# Altium PCB 主板513.PcbDoc (continued)
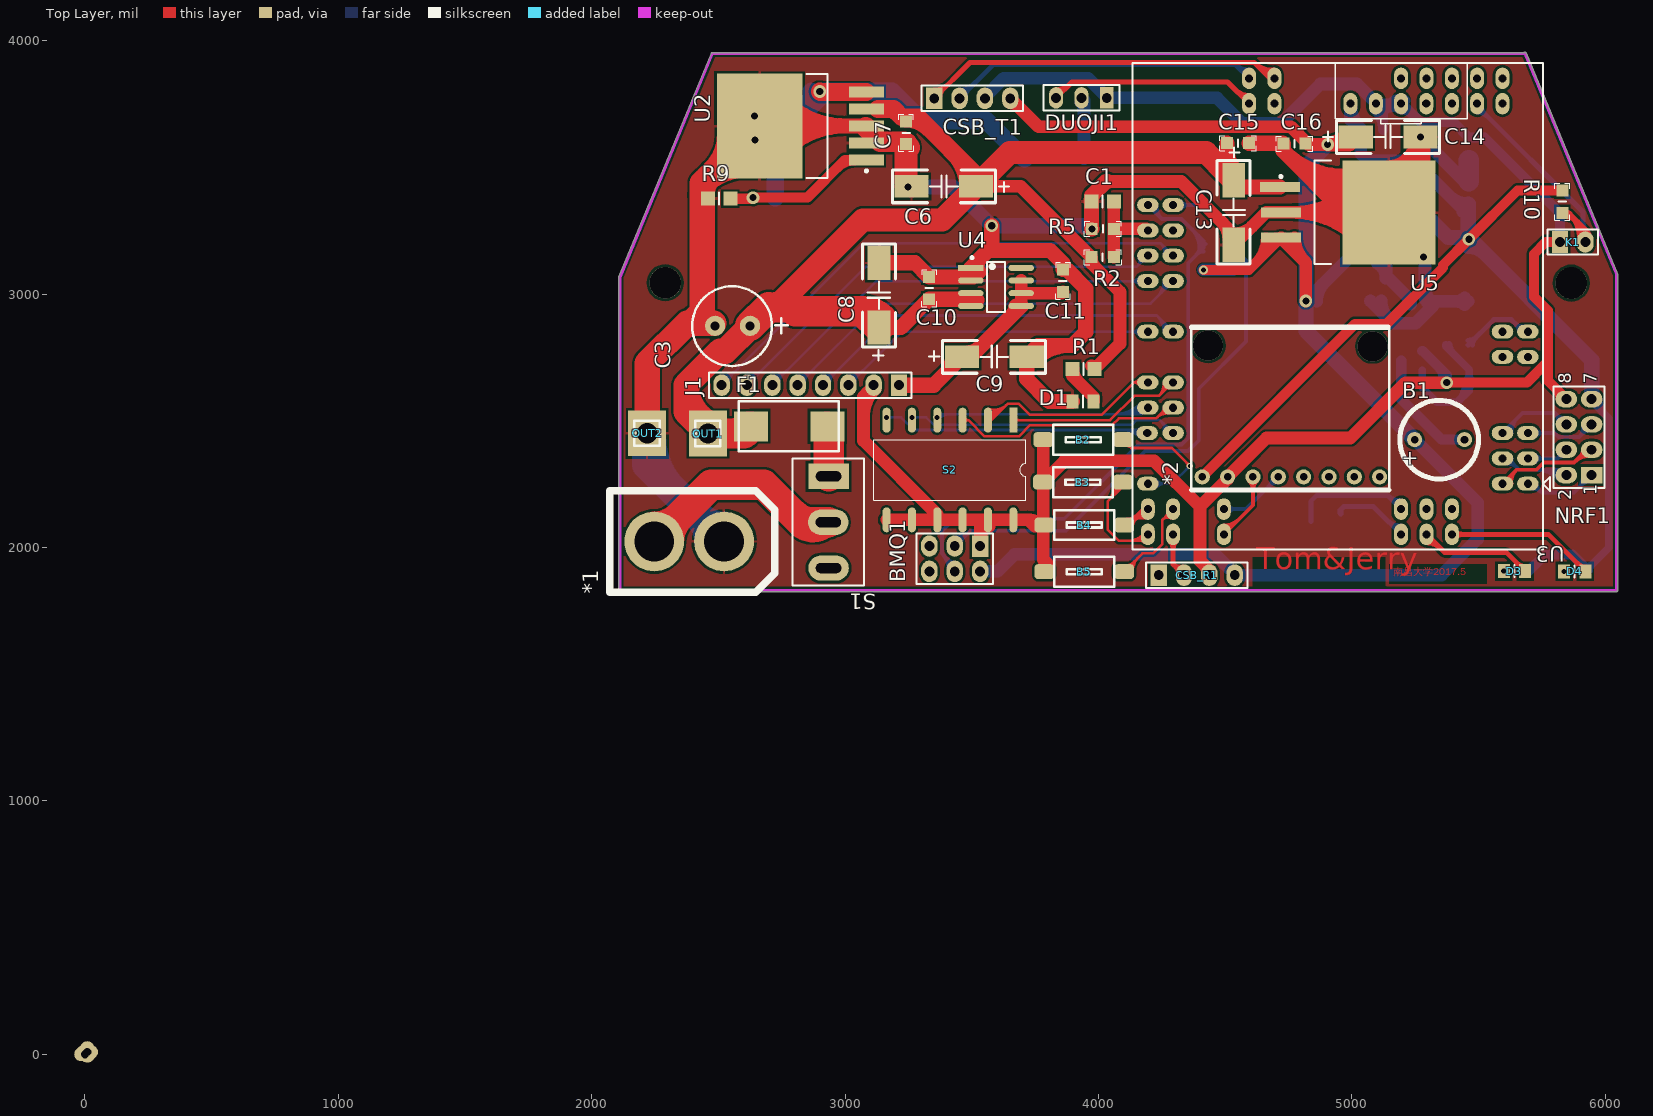
[diagram p0: Top Layer view]
## Nets (pads, with @x,y where several pads share a name; then routed paths per layer and width w, separated by ;. In a path a pad name is that pad's centre, name@x,y a point inside that pad or via, vN(x,y) a via of type N, cw(c..) or ccw(c..) an arc to the next point about the centre after c; other vN are vias at no path point) (continued)
  Top Layer w60: U2.6@2499.1,3499.9 U2.6 U2.3 ; U2.6@2590.72,3591.52 cw(c2645,3537.24) U2.6@2645,3614 ; U2.6@2605.7,3605.86 cw(c2631.06,3584.67) U2.6@2647.49,3613.34 ; U2.6@2608.96,3609.76 ccw(c2514.72,3704) U2.6@2648,3704 ; U2.6@2635.44,3663.87 ccw(c2707.04,3641.47) U2.6@2640.57,3606.68 ; U2.6@2639.46,3700.46 ccw(c2727.5,3788.5) U2.6@2727.5,3664 ; U2.6@2640,3609 cw(c2716.76,3609) U2.6@2662.48,3663.28 ; U2.6@2719.27,3607.93 cw(c2854.63,3472.57) 2854.63,3664 cw(c2854.63,3855.43) U2.6@2719.27,3720.07 ; U2.6@2761.7,3565.51 cw(c2999.48,3327.72) 2999.48,3664 cw(c2999.48,4000.28) U2.6@2761.7,3762.49 ; C8.2 3276,3124 C10.1 3507,3068 ; U4.1 3564.51,3172 ; U4.1@3516.51,3104 cw(c3564.8,3104) 3530.65,3138.14 ; 3519.76,3080.76 3528,3089 ; U4.1@3519.76,3111.83 cw(c3526.87,3111.83) 3521.84,3116.86 ; v1(3579,3270) 3579,3186.49 3564.51,3172 ; C9.2@3750.11,2742.39 cw(c3884.35,2608.15) 3884.35,2798 ; 3853.21,3128.79 cw(c3821.42,3097) C11.1@3866.38,3097 ; D1.2 3805,2577 3717,2665 C9.2 3762,2798 3897,2798 3950,2851 3950,3022.62 3875.62,3097 C11.1 3860,3122 3810,3172 3564.51,3172 ; C1.1@3970.56,3365 cw(c4021.85,3365) 3985.58,3401.27 ; v1(3974,3258) 3973,3259 C1.1 3973,3388.69 4029.31,3445 4036.38,3445 ; C15.1 C16.1@4728,3596 ; C16.1@4723.42,3593.8 ccw(c4777.68,3593.8) 4739.32,3555.44 ; C16.1 4730,3564.75 ; 4795.21,3499.55 ccw(c5005.51,3709.86) U5.4@5112.64,3432.4 ; 4860.4,3434.36 ccw(c5041.83,3615.79) U5.4@5134.25,3376.43 ; 4925.59,3369.17 ccw(c5078.15,3521.73) U5.4@5155.87,3320.45 ; U5.4@5091.03,3488.37 cw(c4969.19,3803.92) 4730.01,3564.74 ; U5.4 4971.75,3323 4730,3564.75
  Top Layer w80: U2.3@3081.29,3659.28 3084.19,3656.38 3138.77,3601.8 C7.1@3232.2,3601.8 ; U5.4@5142.91,3488.66 ccw(c5139.63,3619.99) v1(5271,3620) U5.4@5271,3447.5 ; U5.4@5144.9,3408.69 ccw(c5141.68,3537.97) 5271,3537.97
  Top Layer w90: 2477.47,3478.27 ccw(c2329.14,3626.6) U2.6@2538.91,3626.6 ; U2.6@2499.1,3499.9 2467,3467.8 cw(c2580.2,3354.6) U2.6@2626.93,3507.72 ; C7.1@3232.2,3596.8 C7.1@3241,3588 ; C7.1 C7.1@3241,3588 ; C7.1@3250,3579 C7.1@3241,3588 ; C6.2 3241,3447 C7.1@3241,3588
  Top Layer w100: OUT2.1 2218.99,2727.99 2376,2885 2390,2885 ; R9.1@2436.88,3373.23 cw(c2543.42,3391.37) 2467,3467.79 ; C3.2@2482.86,2885 2390,2885 ; U2.6@2631.77,3511.52 ccw(c2587.04,3347.77) 2467.01,3467.8 ; U2.6@2646.97,3508.42 ccw(c2613.08,3261.74) 2437.01,3437.81 ; 2390,2885 2437,2932 2437,3437.8 ; 2437,3437.8 2467,3467.8 ; 2486.01,3486.8 ccw(c2346.21,3626.6) 2543.91,3626.6 cw(c2346.21,3626.6) 2486.01,3486.8
  Bottom Layer w50: C17.2 5161,2886 5252.54,2886 5319,2952.46 C19.1 ; C17.2@5116.5,2973 ccw(c5219.1,2973) 5146.55,2900.45 ; v1(5271,3620) 5445,3446 C20.1 ; v1(5282.55,3147.13) 5289.43,3140.25 5289.43,2990.57 C19.1 ; 5289.43,2990.57 ccw(c5320.41,2990.57) C19.1@5318.92,2959.62 ; 5289.43,3028.8 ccw(c5386.6,3028.8) C19.1@5317.89,2960.08 ; C19.1@5317.89,2962.31 cw(c5341.28,2938.92) C19.1@5341.28,2972 ; 5435.81,3455.19 ccw(c5461.8,3481.19) C20.1@5461.8,3444.43 ; C18.2@5445.86,2957.86 ccw(c5411.72,2923.72) 5411.72,2972 ccw(c5411.72,3020.28) C18.2@5445.86,2986.14 ; C18.2 5330,2972 C19.1
  Bottom Layer w60: v1(3248,3423) 3426,3423 v1(3579,3270) 3962,3270 v1(3974,3258)
  Bottom Layer w70: v1(2645,3609) C4.2
  Bottom Layer w80: C20.1 5462,3529 C2.2
  Bottom Layer w120: OUT2.1 2218.99,2327.6 *1.2 ; OUT2.1@2233.99,2436 ccw(c2531.89,2436) 2321.24,2225.35 ; *1.2@2464.48,2024 ccw(c2324.19,2024) 2423.39,2123.2 ccw(c2522.59,2222.4) *1.2@2522.59,2082.11
  other v1: 2643,3704
B0: BMQ1.3 R6.2 U3.70 | length 2646.1
  Bottom Layer w15: BMQ1.3 3433.25,2006 3493.25,2066 3870,2066 4185,2381 4354,2381 4396,2423 4396,2627 4582,2813 4582,3134 R6.2 4531,3221 ; BMQ1.3@3433,2026 ccw(c3433,2074.89) 3467.57,2040.32 ; BMQ1.3@3433,2041 ccw(c3433,2126.1) 3493.18,2065.93 ; BMQ1.3@3458,2016 cw(c3493.61,2016) 3468.43,2041.18 ; U3.70 4400,3352 4531,3221 ; U3.70@4324.14,3337.86 cw(c4358.28,3303.72) 4358.28,3352 cw(c4358.28,3400.28) U3.70@4324.14,3366.14 ; R6.2@4520.29,3196.78 ccw(c4498.28,3221) 4531,3221 ; R6.2@4531.2,3169.08 cw(c4531.2,3131.1) 4558.05,3157.95 ; R6.2@4541.71,3196.78 cw(c4563.72,3221) 4531,3221 ; R6.2@4547.12,3185 ccw(c4586.04,3185) 4558.52,3157.48
B1: BMQ1.4 R7.1 U3.69 | length 2826.1
  Bottom Layer w15: 3383.75,1974.54 cw(c3325.22,1916) BMQ1.4@3408,1916 ; 3406.18,1952.11 ccw(c3433,1978.93) BMQ1.4@3433,1941 ; 3409.36,1948.93 cw(c3376.43,1916) BMQ1.4@3423,1916 ; BMQ1.4 3433,1925.29 3383,1975.29 3383,2066 3431,2114 3865,2114 4158,2407 4328.64,2407 4355,2433.36 4355,2824 ; U3.69 4250,3297 ; U3.69@4214.99,3351.65 ccw(c4255.28,3348.84) 4226.72,3320.28 ; U3.69@4229.95,3350.61 ccw(c4298.8,3345.8) 4250,3297 ; 4355,2833.36 4355,3124 R7.1 4415,3210.64 ; 4368.64,3257 cw(c4295.64,3184) 4398.88,3184 cw(c4359.96,3184) 4387.48,3156.48 ; 4387.95,3156.95 cw(c4414.8,3130.1) R7.1@4414.8,3168.08 ; 4394.25,3231.39 cw(c4346.86,3184) R7.1@4413.88,3184 ; R7.1@4407.46,3198.03 ccw(c4400.68,3210.64) 4415,3210.64 ; R7.1@4422.54,3198.03 cw(c4429.32,3210.64) 4415,3210.64 ; 4250,3297 4328.64,3297 4415,3210.64
B18: S2.1 U3.84 | length 850.8
  Top Layer w10: S2.1 4046,2503 4142,2599 4238.61,2599 ; S2.1@3671.6,2495.4 cw(c3689.95,2477.05) 3689.95,2503 cw(c3689.95,2528.95) S2.1@3671.6,2510.6 ; 4253.98,2614.37 ccw(c4220.92,2647.43) U3.84@4267.54,2651.04 ; U3.84@4257.57,2650.27 cw(c4192.39,2645.23) 4238.61,2599 ; 4261.41,2621.8 cw(c4280,2603.21) U3.84@4280,2629.5 ; U3.84 4291.61,2652 4238.61,2599
B19: S2.2 U3.83 | length 1109.4
  Top Layer w10: S2.2@3554.01,2498.51 ccw(c3561.02,2525.14) 3580.49,2505.66 ; S2.2@3556.55,2508.18 ccw(c3566.15,2544.63) 3592.8,2517.97 ; S2.2@3559.1,2517.85 ccw(c3571.28,2564.11) 3605.11,2530.28 ; S2.2@3561.64,2527.52 ccw(c3576.41,2583.6) 3617.42,2542.59 ; S2.2 3577.83,2503 3642.04,2567.21 ; S2.2@3564.19,2537.19 ccw(c3581.54,2603.09) 3629.73,2554.9 ; S2.2@3566.74,2546.86 ccw(c3586.67,2622.57) 3642.04,2567.21 ; U3.83@4160.77,2640.32 ccw(c4140,2627.7) 4140,2652 ; U3.83@4160.77,2663.68 cw(c4140,2676.3) 4140,2652 ; U3.83 4140,2652 ; 3642.04,2567.21 3685.96,2567.21 3729.17,2524 4012,2524 4140,2652
B20: S2.3 U3.86 | length 1058.9
  Top Layer w10: S2.3 3487.05,2503 ; S2.3@3472.23,2496.09 cw(c3487.05,2483.66) 3487.05,2503 ; S2.3@3472.23,2509.91 ccw(c3487.05,2522.34) 3487.05,2503 ; 4243.69,2525.59 cw(c4277.41,2491.86) U3.86@4279.46,2539.51 ; 4248.59,2530.48 ccw(c4227.07,2552) U3.86@4257.5,2552 ; U3.86@4279.03,2529.52 ccw(c4276.09,2461.02) 4227.61,2509.5 ; U3.86 4270.1,2552 4227.6,2509.5 ; 3487.05,2503 3551.26,2438.79 3685.96,2438.79 3730.17,2483 4054.28,2483 4081.28,2510 4161.9,2510 4162.4,2509.5 4227.6,2509.5
B21: S2.4 U3.85 | length 1295.3
  Bottom Layer w10: v2@3370.07,2506.93 cw(c3418.53,2458.47) 3418.53,2527 ; 3394.38,2527 ccw(c3394.38,2482.62) v2(3363,2514) 3376,2527 4170,2527 U3.85 ; 4065.33,2527 ccw(c4065.33,2666.67) U3.85@4164.09,2567.91 ; 4089.47,2527 ccw(c4089.47,2642.53) U3.85@4171.16,2560.84 ; 4113.61,2527 ccw(c4113.61,2618.39) U3.85@4178.23,2553.77 ; 4137.75,2527 ccw(c4137.75,2594.25) U3.85@4185.3,2546.7 ; 4161.89,2527 ccw(c4161.89,2570.11) U3.85@4192.37,2539.63
B22: S2.5 U3.88 | length 1213.6
  Bottom Layer w10: v2(3264,2514) 3320.57,2514 3350.57,2484 4132,2484 4151,2503 4244,2503 ; v2@3271.07,2506.93 cw(c3288.14,2489.86) 3288.14,2514 cw(c3288.14,2538.14) v2@3271.07,2521.07 ; 4257.14,2489.86 cw(c4229.61,2462.32) U3.88@4267.75,2454.51 ; U3.88@4257.96,2456.52 ccw(c4207.8,2466.79) 4244,2503 ; 4267.2,2479.8 ccw(c4280,2492.61) U3.88@4280,2474.5 ; U3.88 4244,2503
B23: S2.6 U3.87 | length 1270.4
  Bottom Layer w10: v2(3164,2514) 3221.57,2514 3271.57,2464 4180.64,2464 U3.87 ; v2@3171.07,2506.93 cw(c3188.14,2489.86) 3188.14,2514 cw(c3188.14,2538.14) v2@3171.07,2521.07 ; 4094.35,2464 cw(c4094.35,2368.71) U3.87@4161.73,2436.09 ; 4118.49,2464 cw(c4118.49,2392.85) U3.87@4168.8,2443.16 ; 4142.63,2464 cw(c4142.63,2416.99) U3.87@4175.87,2450.23 ; 4152.29,2464 ccw(c4152.29,2477.35) U3.87@4161.73,2467.91
BUZZER: R3.1 U3.13 | length 429.8
  Bottom Layer w20: R3.1 5460.82,2800 5560.32,2899.5 5629.68,2899.5 5677.18,2852 U3.13 ; R3.1@5459,2817.56 ccw(c5459,2864.36) 5492.09,2831.27 ; R3.1@5476.56,2800 cw(c5514.54,2800) 5487.68,2826.86 ; 5645.3,2883.87 ccw(c5680,2918.57) U3.13@5680,2869.5 ; 5652.12,2877.05 cw(c5627.07,2852) U3.13@5662.5,2852
C3: B2.1 U3.91 | length 737.3
  Top Layer w10: B2.1 4130.48,2393 ; B2.1@4108.49,2401.5 cw(c4109.88,2372.4) 4130.48,2393 ; B2.1@4128.16,2413.07 ccw(c4141.97,2404.49) 4130.48,2393 ; v5@4353.5,2322 ccw(c4335.39,2322) 4348.2,2334.8 ccw(c4361,2347.61) v5@4361,2329.5 ; v5(4361,2322) 4290,2393 4130.48,2393
  Bottom Layer w10: U3.91 4291,2252 v5(4361,2322) ; U3.91@4218.84,2243.16 cw(c4240.18,2221.82) 4240.18,2252 cw(c4240.18,2282.18) U3.91@4218.84,2260.84 ; U3.91@4225.91,2236.09 cw(c4264.32,2197.68) 4264.32,2252 cw(c4264.32,2306.32) U3.91@4225.91,2267.91 ; v5@4353.5,2322 cw(c4335.39,2322) 4348.2,2309.2 cw(c4361,2296.39) v5@4361,2314.5
C4: B3.1 U3.94 | length 803
  Top Layer w10: 4050.79,2195.79 ccw(c3998.08,2248.49) B3.1@4072.19,2256.45 ; B3.1@4062.25,2255.38 cw(c3971.38,2245.63) 4036,2181 ; 4065.57,2210.57 ccw(c4024.78,2251.36) B3.1@4082.14,2257.52 ; 4080.35,2225.35 ccw(c4051.48,2254.23) B3.1@4092.08,2258.58 ; B3.1 4096.48,2241.48 4036,2181 ; 4116.54,2027 ccw(c4116.54,2115.46) U3.94@4179.09,2052.91 ; 4140.68,2027 ccw(c4140.68,2091.32) U3.94@4186.16,2045.84 ; U3.94@4179.09,2021.09 ccw(c4164.82,2006.82) 4164.82,2027 ccw(c4164.82,2067.18) U3.94@4193.23,2038.77 ; U3.94 4170,2027 4080,2027 4036,2071 4036,2181
C5: B4.1 U3.93 | length 858.8
  Top Layer w10: B4.1@4111.32,2103.53 ccw(c4111.32,2137.82) B4.1@4135.57,2113.57 ; B4.1@4111.32,2113.53 ccw(c4111.32,2171.96) 4152.64,2130.64 ; B4.1@4117.67,2112.69 ccw(c4128.4,2152.74) 4149.13,2116.83 ; B4.1@4121.38,2111.37 ccw(c4135.39,2142.51) 4152.46,2112.94 ccw(c4169.31,2083.76) B4.1@4135.75,2086.79 ; B4.1@4124.77,2102.77 cw(c4180.18,2047.35) U3.93@4192.96,2124.67 ; B4.1@4125.59,2086.28 cw(c4181.66,2075.59) 4152.94,2124.92 ; B4.1@4125.68,2086.77 cw(c4163.59,2080.88) 4144.4,2114.1 ; B4.1@4125.85,2089 cw(c4161.7,2089) B4.1@4136.35,2114.35 ; B4.1@4134.68,2096.49 cw(c4153.34,2102.47) 4143.48,2119.41 ; B4.1@4135.56,2085.24 cw(c4190.08,2076.77) 4162.49,2124.55 ; B4.1@4135.85,2089 cw(c4195.84,2089) 4153.42,2131.42 ; 4138.53,2116.53 cw(c4184.08,2070.97) U3.93@4194.59,2134.53 ; 4152.29,2130.29 cw(c4187.99,2094.59) U3.93@4196.22,2144.4 ; 4166.05,2144.05 cw(c4191.89,2118.21) U3.93@4197.85,2154.27 ; U3.93@4191.33,2114.8 ccw(c4176.27,2023.73) 4111,2089 4174,2152 U3.93 ; B4.1@4117.58,2112.71 ccw(c4123.9,2136.62) 4136.34,2115.25 cw(c4123.9,2136.62) B4.1@4117.58,2112.71
C6: CSB_R1.2 U3.96 | length 310.2
  Top Layer w20: U3.96@4282.63,2024.63 cw(c4252.75,1994.75) 4295,1994.75 cw(c4337.25,1994.75) U3.96@4307.37,2024.63 ; U3.96 4295,1934 ; 4306.66,1922.34 cw(c4285.32,1901) CSB_R1.2@4315.5,1901 ; CSB_R1.2@4333.07,1922.95 cw(c4324.07,1963.07) 4295,1934 ; CSB_R1.2 4295,1934
C7: B5.1 U3.95 | length 570.9
  Top Layer w10: B5.1 4173.48,1977 4215,1977 4252.5,2014.5 4252.5,2109.5 ; B5.1@4111.32,1929.53 ccw(c4111.32,1964.98) 4136.39,1939.91 ; B5.1@4125.85,1905 cw(c4184.69,1905) 4143.08,1946.6 ; B5.1@4135.85,1905 cw(c4218.83,1905) 4160.15,1963.67 ; 4263.07,2120.07 cw(c4280.66,2102.48) U3.95@4290.21,2125.46 ; 4267.2,2124.2 ccw(c4254.39,2137) U3.95@4272.5,2137 ; U3.95@4286.37,2116.22 ccw(c4274.46,2087.54) 4252.5,2109.5 ; U3.95 4252.5,2109.5
CE: NRF1.6 U3.6 | length 478.3
  Bottom Layer w15: U3.6 5674,2531 5802,2531 ; U3.6@5615,2452 cw(c5663.28,2452) 5629.14,2486.14 ; U3.6@5630,2452 cw(c5714.5,2452) 5654.75,2511.75 ; 5811.39,2521.61 ccw(c5837,2547.21) NRF1.6@5837,2511 ; NRF1.6@5812.75,2492.09 ccw(c5773.07,2502.06) 5802,2531 ; NRF1.6 5802,2531
CSN: NRF1.5 U3.5 | length 464.2
  Bottom Layer w15: U3.5 5800.29,2452 5816.29,2436 5897,2436 ; U3.5@5724.14,2437.86 cw(c5758.28,2403.72) 5758.28,2452 cw(c5758.28,2500.28) U3.5@5724.14,2466.14 ; 5911.39,2450.39 cw(c5937,2424.79) NRF1.5@5937,2461 ; NRF1.5@5912.27,2482.31 cw(c5858.7,2474.31) 5897,2436 ; 5918.05,2457.05 ccw(c5895.32,2479.78) NRF1.5@5927.11,2484.52 ; NRF1.5 5897,2436
D6: D3.2 U3.116 | length 562.3
  Top Layer w20: U3.116@5295,2019.5 cw(c5295,1941.04) 5350.48,1996.52 ; U3.116 5366,1981 5610,1981 D3.2 ; 5654.02,1936.98 ccw(c5684,1966.95) D3.2@5684,1924.56 ; D3.2@5663.53,1927.47 cw(c5647,1910.94) D3.2@5670.38,1910.94
D8: D4.2 U3.118 | length 705.5
  Top Layer w20: U3.118 5776,2052 D4.2 ; U3.118@5407.37,2039.63 cw(c5437.25,2009.75) 5437.25,2052 cw(c5437.25,2094.25) U3.118@5407.37,2064.37 ; 5892.02,1935.98 ccw(c5922,1965.95) D4.2@5922,1923.56 ; D4.2@5901.53,1926.47 cw(c5885,1909.94) D4.2@5908.38,1909.94
DGND: *2.2 B2.2 B3.2 B4.2 B5.2 BMQ1.1 C2.1 C12.1 CSB_R1.3 CSB_T1.3 DUOJI1.1 J1.2 K1.1 NRF1.8 R4.2 S2.7 S2.8 S2.9 S2.10 S2.11 S2.12 U1.1 U3.41 U3.43 | length 9368.6
  Top Layer w40: v1(5375,2651) 5691,2651 5763,2723 5773.5,2723 ; 5808.59,2624.41 cw(c5770.18,2586) NRF1.8@5824.5,2586 ; K1.1 5766,3206 5719,3159 5719,2990 5773.5,2935.5 5773.5,2723 ; NRF1.8 5773.5,2659.5 5773.5,2723
  Top Layer w50: 3073,2516.32 cw(c3227.68,2516.32) J1.2@3118.3,2625.7 ; 3073,2577.55 cw(c3119.33,2577.55) J1.2@3113.88,2623.55 ; J1.2 3113,2635.54 3073,2595.54 3073,2422 3364,2131 S2.9 ; S2.7 S2.8 S2.9 ; BMQ1.1 3533,2078.3 ; BMQ1.1@3533,2023.33 cw(c3616.5,2023.33) S2.11@3557.46,2082.38 ; BMQ1.1@3533,2044.74 cw(c3575.36,2044.74) S2.11@3560.83,2084.53 ; CSB_T1.3 CSB_T1.3@3552,3778.46 ; S2.11@3568.07,2084.15 ccw(c3554.63,2056.67) 3533,2078.3 ; 3716.74,2109.3 cw(c3716.74,2029.06) B4.2@3773.48,2085.8 ; B4.2@3773.2,2086.1 ccw(c3723.7,2044.9) 3723.7,2109.3 ; B4.2@3775.8,2093.44 cw(c3764.62,2150.21) 3723.7,2109.3 ; B3.2 B3.2@3782.52,2259 ; B2.2 B3.2@3782.52,2259 ; B4.2 B4.2@3782.52,2093 ; 3797,1938 3782.52,1952.48 B4.2@3782.52,2093 ; DUOJI1.1 DUOJI1.1@4033,3778.39 ; 4418.13,1930.87 cw(c4388.25,1901) CSB_R1.3@4430.5,1901 ; CSB_R1.3@4441,1908 4401,1948 4401,2161.39 ; v1(5375,2651) 5213,2651 4994.5,2432.5 4663.5,2432.5 *2.2 4510,2270.39 4401,2161.39 ; S2.9 S2.10 S2.11 ; 3533,2078.3 S2.11 ; S2.11 S2.12 3723.7,2109.3 ; 3723.7,2109.3 3749,2084 3773.52,2084 B4.2@3782.52,2093 ; B4.2@3782.52,2093 B3.2@3782.52,2259 ; B3.2@3782.52,2259 3865.52,2342 4220.39,2342 4401,2161.39
  Bottom Layer w40: U3.43@5089.7,3731.7 cw(c5006.88,3648.88) C12.1@5124,3648.88 ; U3.43 5153,3752 ; C12.1 5124,3723 ; 5159.56,3758.56 cw(c5189.66,3728.46) U3.41@5212.22,3764.56 ; U3.41@5191.03,3730.64 ccw(c5162.32,3684.69) 5124,3723 ; U3.41@5195,3729.5 cw(c5195,3668.19) 5238.35,3711.54 ; U1.1 5279.34,2776.5 5375,2680.84 R4.2 ; 5341.7,2714.14 cw(c5279.56,2652) R4.2@5367.44,2652 ; 5345.36,2710.48 cw(c5285.88,2651) R4.2@5370,2651 ; R4.2@5360.67,2677.26 ccw(c5395.56,2686.61) R4.2@5377.5,2655.33 ; K1.1 5822,3320 5524,3618 C2.1 5401.5,3679.5 5270.4,3679.5 5197.9,3752 U3.41 5153,3752 ; 5124,3723 5153,3752
  Bottom Layer w50: CSB_T1.3 3552,3778.46 3626.04,3852.5 3958.89,3852.5 4033,3778.39 DUOJI1.1 4468.61,3775 4569.11,3674.5 4720.89,3674.5 4875.89,3829.5 5020.89,3829.5 5095,3755.39 U3.43
DY: C1.2 R2.1 R5.2 U3.71 | length 354.5
  Top Layer w50: R2.1 C1.2 ; R5.2 4189,3258 U3.71
E10: U3.11
IRQ: NRF1.1 U3.1 | length 499.3
  Bottom Layer w15: U3.1 5715,2252 5750,2217 ; U3.1@5711,2232.03 cw(c5713.57,2180.58) 5750,2217 ; U3.1@5730,2252 ccw(c5766.21,2252) 5740.61,2226.39 ; 5887.25,2226.25 ccw(c5827.5,2286) NRF1.1@5912,2286 ; 5911.39,2250.39 cw(c5937,2224.79) NRF1.1@5937,2261 ; 5912.86,2251.86 ccw(c5878.72,2286) NRF1.1@5927,2286 ; NRF1.1 5878,2217 5750,2217
MISO: NRF1.2 U3.4 | length 581
  Bottom Layer w15: U3.4 5616.36,2352 5661.36,2307 5826,2307 NRF1.2 ; U3.4@5610,2332 cw(c5610,2268.36) 5655,2313.36 ; U3.4@5630,2352 ccw(c5662.93,2352) 5639.64,2328.72 ; 5725.95,2307 cw(c5725.95,2174.95) NRF1.2@5819.32,2268.32 ; 5762.16,2307 cw(c5762.16,2211.16) NRF1.2@5829.93,2278.93 ; 5798.37,2307 cw(c5798.37,2247.37) NRF1.2@5840.54,2289.54
MOSI: NRF1.3 U3.2 | length 632.4
  Top Layer w15: U3.2 5650,2307 ; U3.2@5614.99,2252.35 cw(c5655.28,2255.16) 5626.72,2283.72 ; U3.2@5629.95,2253.39 cw(c5698.8,2258.2) 5650,2307 ; 5878.46,2336.75 cw(c5937,2278.22) NRF1.3@5937,2361 ; 5900.89,2359.18 ccw(c5874.07,2386) NRF1.3@5912,2386 ; 5904.07,2362.36 cw(c5937,2329.43) NRF1.3@5937,2376 ; NRF1.3 5927.71,2386 5877.71,2336 5757.64,2336 5728.64,2307 5650,2307
Net*1_1: *1.1 S1.2 | length 1278.3
  Top Layer w120: *1.1 2471,2248 2679,2248 2827,2100 ; *1.1@2247,2082.11 ccw(c2247,2222.4) 2346.2,2123.2 ccw(c2445.4,2024) *1.1@2305.11,2024 ; 2789.62,2137.38 ccw(c2904,2251.75) S1.2@2904,2090 ; S1.2@2909.51,2091.66 cw(c2873.37,2146.36) 2827,2100 ; S1.2 2827,2100
NetB1_2: B1.2 U1.3 | length 467.6
  Bottom Layer w40: U1.3 5195.5,2585.5 5355,2426 B1.2
NetD1_1: D1.1 R1.2 | length 220.9
  Top Layer w50: R1.2@3898,2704 R1.2 3897,2677.68 3981,2593.68 D1.1 ; R1.2@3899.56,2705 ccw(c3971.7,2705) 3920.69,2653.99
NetD2_2: D2.2 DUOJI1.2 | length 370.5
  Bottom Layer w50: D2.2@3925.32,3555.83 ccw(c3882.64,3598.5) 3943,3598.5 ccw(c4003.36,3598.5) D2.2@3960.68,3555.83 ; DUOJI1.2@3931.23,3758.23 cw(c3902.82,3729.82) 3943,3729.82 ; DUOJI1.2 3943,3765 D2.2
NetD3_1: D3.1 R11.2
  other v3: 5600,1907
NetD4_1: D4.1 R12.2
  other v3: 5838,1906
NetF1_1: F1.1 S1.1 | length 199.1
  Top Layer w120: F1.1 2935,2473 S1.1
NetR3_2: R3.2 R4.1 U1.2 | length 732.7
  Bottom Layer w30: U1.2 5277.5,2631.5 5336,2573 5417,2573 5463,2619 R4.1 5463,2702 5371,2794 R3.2 ; R3.2@5383.56,2800 ccw(c5428.36,2800) 5396.68,2768.32 ; 5418.23,2574.23 ccw(c5340.45,2652) R4.1@5450.44,2652 ; R4.1@5454.12,2643.12 cw(c5432.68,2621.68) 5463,2621.68 cw(c5493.32,2621.68) R4.1@5471.88,2643.12 ; R4.1@5454.12,2660.88 ccw(c5432.68,2682.32) 5463,2682.32 ccw(c5493.32,2682.32) R4.1@5471.88,2660.88
NetR8_2: R8.2 R9.2 U2.1 | length 673.5
  Top Layer w40: R9.2 2633,3377 v1(2637,3381) 2851,3381 3000.14,3530.14 U2.1 ; 2971.3,3501.3 cw(c3036.94,3435.65) U2.1@3036.94,3528.49
OUT1: J1.3 U3.79 | length 1591.7
  Bottom Layer w10: J1.3 3224,2852 U3.79 ; J1.3@3013,2658.5 ccw(c3013,2700.75) 3042.87,2670.87 ; J1.3@3013,2668.5 ccw(c3013,2734.89) 3059.95,2687.95 ; J1.3@3013,2678.5 ccw(c3013,2769.03) 3077.02,2705.02 ; J1.3@3040.5,2651 cw(c3082.75,2651) 3052.87,2680.87 ; U3.79@4164.09,2836.09 ccw(c4125.68,2797.68) 4125.68,2852 ccw(c4125.68,2906.32) U3.79@4164.09,2867.91 ; U3.79@4171.16,2843.16 ccw(c4149.82,2821.82) 4149.82,2852 ccw(c4149.82,2882.18) U3.79@4171.16,2860.84
OUT2: J1.4 U3.80 | length 1882.6
  Bottom Layer w10: J1.4 3188,2916 4231,2916 ; J1.4@2913,2658.5 ccw(c2913,2700.75) 2942.87,2670.87 ; J1.4@2913,2668.5 ccw(c2913,2734.89) 2959.95,2687.95 ; J1.4@2913,2678.5 ccw(c2913,2769.03) 2977.02,2705.02 ; J1.4@2940.5,2651 cw(c2982.75,2651) 2952.87,2680.87 ; 4248.07,2898.93 cw(c4201.16,2852.02) U3.80@4267.5,2852 ; U3.80@4257.5,2852.01 ccw(c4167.03,2852.03) 4231,2916 ; 4265.13,2881.87 cw(c4235.28,2852.01) U3.80@4277.5,2852 ; 4267.2,2879.8 ccw(c4280,2892.61) U3.80@4280,2874.5 ; U3.80 4231,2916
OUT3: J1.5 U3.76 | length 2012.5
  Bottom Layer w10: J1.5 3135,2963 4206,2963 U3.76 ; J1.5@2813,2658.5 ccw(c2813,2700.75) 2842.87,2670.87 ; J1.5@2813,2668.5 ccw(c2813,2734.89) 2859.95,2687.95 ; J1.5@2813,2678.5 ccw(c2813,2769.03) 2877.02,2705.02 ; J1.5@2840.5,2651 cw(c2882.75,2651) 2852.87,2680.87 ; 4230.98,2987.98 ccw(c4166.97,3052) U3.76@4257.5,3052 ; 4248.05,3005.05 ccw(c4201.11,3052) U3.76@4267.5,3052 ; 4265.13,3022.13 ccw(c4235.25,3052) U3.76@4277.5,3052 ; 4267.2,3024.2 cw(c4280,3011.39) U3.76@4280,3029.5
OUT4: J1.6 U3.75 | length 1974.6
  Bottom Layer w10: J1.6 3124,3052 U3.75 ; J1.6@2713,2658.5 ccw(c2713,2700.75) 2742.87,2670.87 ; J1.6@2713,2668.5 ccw(c2713,2734.89) 2759.95,2687.95 ; J1.6@2713,2678.5 ccw(c2713,2769.03) 2777.02,2705.02 ; J1.6@2740.5,2651 cw(c2782.75,2651) 2752.87,2680.87 ; U3.75@4164.09,3036.09 ccw(c4125.68,2997.68) 4125.68,3052 ccw(c4125.68,3106.32) U3.75@4164.09,3067.91 ; U3.75@4171.16,3043.16 ccw(c4149.82,3021.82) 4149.82,3052 ccw(c4149.82,3082.18) U3.75@4171.16,3060.84
OUT5: J1.7 U3.73 | length 2067.6
  Bottom Layer w10: J1.7 3080,3108 4151,3108 ; J1.7@2613,2658.5 ccw(c2613,2700.75) 2642.87,2670.87 ; J1.7@2613,2668.5 ccw(c2613,2734.89) 2659.95,2687.95 ; J1.7@2613,2678.5 ccw(c2613,2769.03) 2677.02,2705.02 ; J1.7@2640.5,2651 cw(c2682.75,2651) 2652.87,2680.87 ; U3.73@4158.9,3144.18 cw(c4126.75,3132.25) 4151,3108 ; 4162.03,3119.03 ccw(c4142.84,3138.22) U3.73@4168.28,3147.65 ; 4167.2,3124.2 cw(c4180,3111.39) U3.73@4180,3129.5 ; U3.73 4151,3108
OUT6: J1.8 U3.74 | length 2325.3
  Bottom Layer w10: J1.8 3074,3202 4245,3202 ; J1.8@2513,2658.5 ccw(c2513,2700.75) 2542.87,2670.87 ; J1.8@2513,2668.5 ccw(c2513,2734.89) 2559.95,2687.95 ; J1.8@2513,2678.5 ccw(c2513,2769.03) 2577.02,2705.02 ; J1.8@2540.5,2651 cw(c2582.75,2651) 2552.87,2680.87 ; 4257.84,3189.16 cw(c4231.58,3162.91) U3.74@4267.81,3154.75 ; U3.74@4258.05,3156.95 ccw(c4210.63,3167.63) 4245,3202 ; 4267.2,3179.8 ccw(c4280,3192.61) U3.74@4280,3174.5 ; U3.74 4245,3202
PWM1: F2.4 U3.113 | length 527.2
  Bottom Layer w20: F2.4 4838.63,2182.63 4862,2206 5141,2206 ; U3.113@5194.61,2184.5 cw(c5192.96,2257.95) 5141,2206 ; U3.113 5141,2206
PWM2: F2.1 U3.114 | length 416.4
  Bottom Layer w20: F2.1@4956.62,2132.63 cw(c4966.38,2141.62) 4957,2151 ; F2.1@4956.58,2132.73 cw(c4995.64,2134.36) 4968,2162 ; F2.1@4957,2137 4957,2151 ; 5139.52,2107.48 ccw(c5195,2162.96) U3.114@5195,2084.5 ; U3.114 5085,2162 4968,2162 ; 4957,2151 4968,2162
PWM3: DUOJI1.3 U3.53 | length 964.4
  Top Layer w20: DUOJI1.3 3895.5,3837.5 4509.5,3837.5 U3.53 ; DUOJI1.3@3833,3807.5 ccw(c3833,3885.96) 3888.48,3830.48 ; 4539.52,3807.48 ccw(c4595,3862.96) U3.53@4595,3784.5
  Bottom Layer w20: DUOJI1.3 DUOJI1.3@3850.82,3775
SCK: NRF1.4 U3.3 | length 290.3
  Bottom Layer w15: U3.3 5813,2352 ; U3.3@5724.14,2337.86 cw(c5758.28,2303.72) 5758.28,2352 cw(c5758.28,2400.28) U3.3@5724.14,2366.14 ; NRF1.4@5815.58,2373.1 cw(c5800.8,2364.2) 5813,2352 ; NRF1.4@5836.03,2361.02 ccw(c5834.83,2330.17) 5813,2352 ; NRF1.4 5813,2352
SCL_T: *2.3 U3.100 | length 464.2
  Top Layer w15: U3.100 4610,2167 *2.3 ; U3.100@4495,2072 ccw(c4495,2120.28) 4529.14,2086.14 ; U3.100@4495,2087 ccw(c4495,2171.5) 4554.75,2111.75 ; *2.3@4594.09,2263.09 cw(c4555.68,2224.68) 4610,2224.68 cw(c4664.32,2224.68) *2.3@4625.91,2263.09
SDA_T: *2.4 U3.99 | length 428.8
  Bottom Layer w15: U3.99 4583,2152 *2.4 ; U3.99@4509.14,2137.86 cw(c4543.28,2103.72) 4543.28,2152 cw(c4543.28,2200.28) U3.99@4509.14,2166.14 ; *2.4@4687.5,2279 cw(c4633.18,2279) 4671.59,2240.59 cw(c4710,2202.18) *2.4@4710,2256.5
STOP: K1.2 R10.1 U3.35 | length 1475.6
  Top Layer w20: R10.1 5857,3321 ; R10.1@5831.2,3307.57 cw(c5831.2,3212.87) 5898.16,3279.84 ; R10.1@5831.2,3327.57 cw(c5831.2,3281.15) 5864.02,3313.98 ; R10.1@5842.19,3313.3 cw(c5857,3302.92) 5857,3321 ; R10.1@5842.19,3328.7 ccw(c5857,3339.08) 5857,3321 ; 5890.48,3287.52 cw(c5820.39,3217.43) K1.2@5919.5,3216.04 ; K1.2@5899.5,3216.32 ccw(c5754.37,3218.36) 5857,3321 ; K1.2@5910.32,3235.23 ccw(c5897.7,3256) 5922,3256 ; K1.2 5922,3256 ; 5923.95,3254.05 cw(c5886.4,3216.5) K1.2@5939.5,3215.75 ; K1.2@5933.68,3235.23 cw(c5946.3,3256) 5922,3256 ; 5857,3321 5922,3256
  Bottom Layer w20: U3.35@5495,3719.5 cw(c5495,3665.18) 5533.41,3703.59 ; U3.35 5495,3742 5912.66,3324.34 5912.66,3215.34 K1.2 ; U3.35@5512.5,3737 ccw(c5542.68,3737) 5521.34,3715.66 ; K1.2@5906.09,3231.91 ccw(c5890.24,3247.76) 5912.66,3247.76 ; 5912.66,3292.88 ccw(c5998.88,3292.88) K1.2@5937.91,3231.91
pads on no net: *2.5 *2.6 *2.7 *2.8 BMQ1.5 BMQ1.6 CSB_R1.1 F2.2 F2.3 F2.5 F2.6 S1.3 U3.7 U3.8 U3.9 U3.10 U3.12 U3.14 U3.15 U3.16 U3.17 U3.18 U3.19 U3.20 U3.21 U3.22 U3.23 U3.24 U3.25 U3.26 U3.27 U3.28 U3.29 U3.30 U3.31 U3.32 U3.33 U3.34 U3.36 U3.37 U3.38 U3.39 U3.40 U3.42 U3.44 U3.46 U3.47 U3.48 U3.49 U3.50 U3.51 U3.55 U3.56 U3.57 U3.58 U3.59 U3.60 U3.61 U3.62 U3.63 U3.64 U3.65 U3.66 U3.67 U3.68 U3.72 U3.77 U3.78 U3.81 U3.82 U3.89 U3.90 U3.92 U3.97 U3.98 U3.101 U3.102 U3.103 U3.104 U3.105 U3.106 U3.107 U3.108 U3.109 U3.110 U3.111 U3.112 U3.115 U3.117 U3.119 U3.120 U3.121 U3.122 U3.123 U3.124 U4.8
copper on no net: | length 5.6
  Bottom Layer w30: 5595,2747.22 5595,2752.79
  other v4: 5082,2794 4433,2797

## Polygon pours and split planes (outlines as drawn)
AGND on Top Layer "Bottom Layer-No Net" (solid, remove dead copper, pour order 2): 1980,4042 6122,4042 6122,1670 6116,1664 6094,1686 1985,1686
AGND on Bottom Layer "Bottom Layer-No Net" (solid, remove dead copper, pour order 4): 1980,4059 6066,4059 6088,4037 6088,1708 1924,1708

## Keep-outs
Keep-Out Layer:
  lines w7.87: 2475,3948.71 5680,3948.71
  lines w10: 2476.26,3948.18 2111.99,3067 2111.99,1831 4336.52,1831 6045,1831 6045,3076.66 5683.37,3950.1

## Other copper
Top Layer:
  text "Tom&Jerry" at 4623,1885 h150 r359.88
  text "南昌大学2017.5" at 5163,1880 h50

## Text inside footprints (layer, text, board x,y; h text height)
B1: Top Overlay "+" at 5265,2396 h100 r180
NRF1: Top Overlay "2" at 5867,2186 h50 r90; Top Overlay "1" at 5967,2206 h50 r90; Top Overlay "7" at 5967,2646 h50 r90; Top Overlay "8" at 5867,2646 h50 r90